# KiCad board einkPDA_keyboard.kicad_pcb (continued)
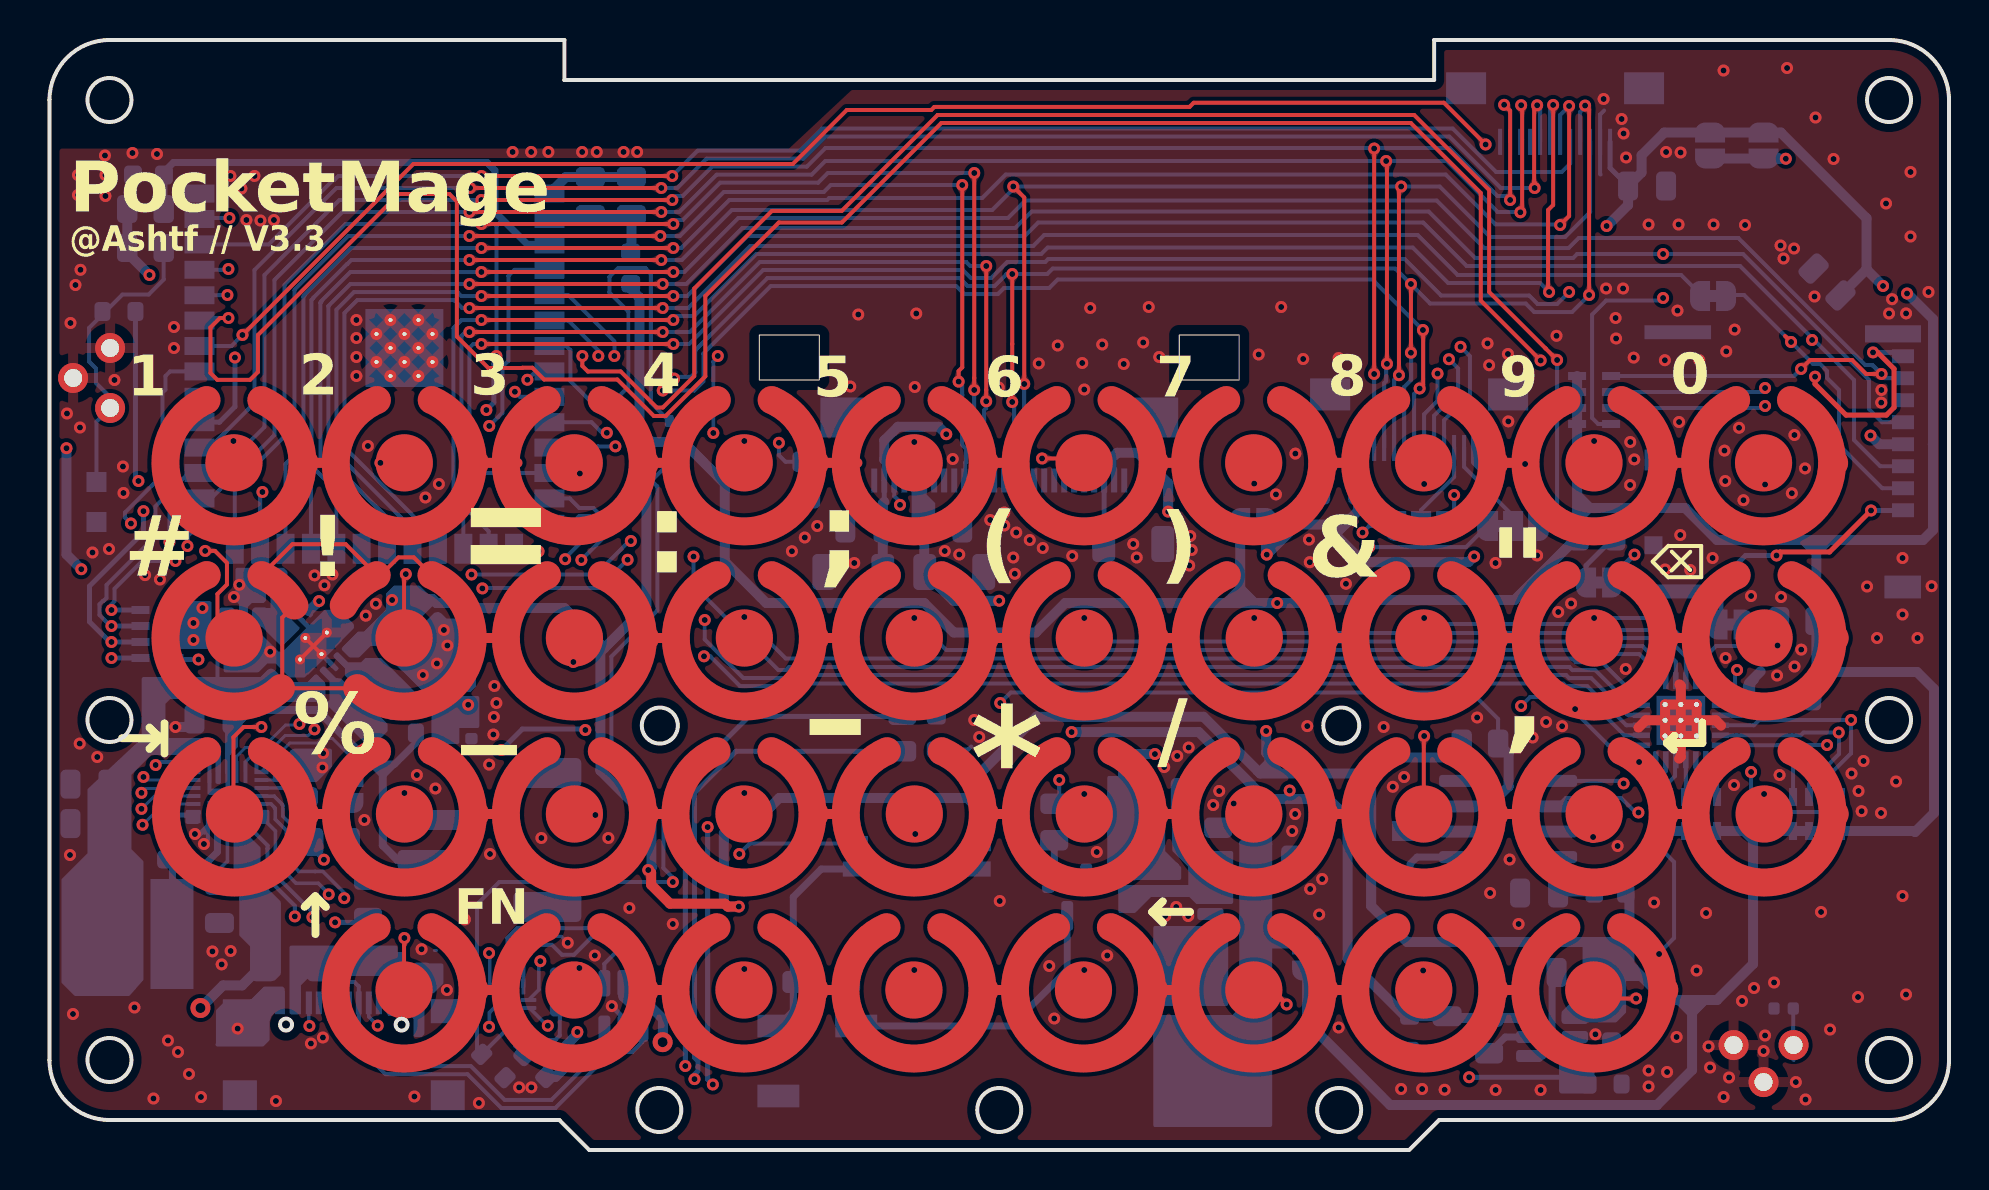
[diagram p0: board, top side]
## Footprints (pads in the part's own frame, mm; a bottom-side part is the same pattern mirrored in y, then rotated) (continued)
  rrect 1x3.5 smd: 1(-1,2.85) 3(1,2.85)
KEY-TH_3P-L4.5-W4.5-P3.0-EH
  oval 1.5x1.5 hole 0.9: 1(-1.5,0.925) 2(1.5,0.925) 3(0,-0.925)
L_0603_1608Metric
  rrect 0.875x0.95 smd: 1(-0.787,0) 2(0.787,0)
L_Chilisin_BMRx00060630
  rrect 2.35x3.5 smd: 1(-3.025,0) 2(3.025,0)
L_Ferrocore_DLG-0504
  rect 2.15x5.5 smd: 1(-1.925,0) 2(1.925,0)
L_Wurth_WE-LQSH-3012
  rect 0.85x2.8 smd: 1(-1.175,0) 2(1.175,0)
LED_0805_2012Metric
  rrect 0.975x1.4 smd: 1(-0.938,0) 2(0.938,0)
R_0603_1608Metric
  rrect 0.8x0.95 smd: 1(-0.825,0) 2(0.825,0)
R_0805_2012Metric
  rrect 1.025x1.4 smd: 1(-0.912,0) 2(0.912,0)
R_Array_Concave_4x0603
  rect 0.9x0.4 smd: 1(-0.85,1.2) 2(-0.85,0.4) 3(-0.85,-0.4) 4(-0.85,-1.2) 5(0.85,-1.2) 6(0.85,-0.4) 7(0.85,0.4) 8(0.85,1.2)
RTW24_2P45X2P45
  rect 0.85x0.28 smd: 1(-1.975,1.25) 2(-1.975,0.75) 3(-1.975,0.25) 4(-1.975,-0.25) 5(-1.975,-0.75) 6(-1.975,-1.25) 13(1.975,-1.25) 14(1.975,-0.75) 15(1.975,-0.25) 16(1.975,0.25) 17(1.975,0.75) 18(1.975,1.25)
  rect 0.28x0.85 smd: 7(-1.25,-1.975) 8(-0.75,-1.975) 9(-0.25,-1.975) 10(0.25,-1.975) 11(0.75,-1.975) 12(1.25,-1.975) 19(1.25,1.975) 20(0.75,1.975) 21(0.25,1.975) 22(-0.25,1.975) 23(-0.75,1.975) 24(-1.25,1.975)
  round 0.508 hole 0.254: 19(-0.787,-0.787) 19(-0.787,0) 19(-0.787,0.787) 19(0,-0.787) 19(0,0) 19(0,0.787) 19(0.787,-0.787) 19(0.787,0) 19(0.787,0.787)
  rect 2.45x2.45 smd: 25(0,0)
SOIC-8_3.9x4.9mm_P1.27mm
  rrect 1.95x0.6 smd: 1(-2.475,1.905) 2(-2.475,0.635) 3(-2.475,-0.635) 4(-2.475,-1.905) 5(2.475,-1.905) 6(2.475,-0.635) 7(2.475,0.635) 8(2.475,1.905)
SolderJumper-2_P1.3mm_Bridged_RoundedPad1.0x1.5mm
  custom 1x1.5 smd: 1(-0.65,0) 2(0.65,0)
SolderJumper-2_P1.3mm_Open_RoundedPad1.0x1.5mm
  custom 1x1.5 smd: 1(-0.65,0) 2(0.65,0)
SolderJumper-3_P1.3mm_Bridged12_RoundedPad1.0x1.5mm
  custom 1.05x1.5 smd: 1(-1.3,0) 3(1.3,0)
  rect 1x1.5 smd: 2(0,0)
SOT-23
  rrect 1.475x0.6 smd: 1(-0.938,0.95) 2(-0.938,-0.95) 3(0.938,0)
SOT-23-5
  rrect 1.325x0.6 smd: 1(-1.137,0.95) 2(-1.137,0) 3(-1.137,-0.95) 4(1.137,-0.95) 5(1.137,0.95)
SOT-23-6
  rrect 1.325x0.6 smd: 1(-1.137,0.95) 2(-1.137,0) 3(-1.137,-0.95) 4(1.137,-0.95) 5(1.137,0) 6(1.137,0.95)
TestPoint_Pad_1.0x1.0mm
  rect 1x1 smd: 1(0,0)
Texas_DRC0010J_ThermalVias
  rrect 0.25x0.34 smd: (-0.25,-1.53) (-0.25,1.53) (0.25,-1.53) (0.25,1.53)
  rrect 1.5x1.06 smd: (0,-0.63) (0,0.63)
  rrect 0.6x0.24 smd: 1(-1.4,1) 2(-1.4,0.5) 3(-1.4,0) 4(-1.4,-0.5) 5(-1.4,-1) 6(1.4,-1) 7(1.4,-0.5) 8(1.4,0) 9(1.4,0.5) 10(1.4,1)
  round 0.5 hole 0.2: 11(-0.575,0) 11(0,-0.95) 11(0,0.95) 11(0.575,0)
  custom 1.65x3.4 smd: 11(0,0)
TF-SMD_503398-1892
  rect 0.7x1.1 smd: 1(-2.42,6.27) 2(-1.32,6.27) 3(-0.22,6.27) 4(0.88,6.27) 5(1.98,6.27) 6(3.08,6.27) 7(4.18,6.27) 8(5.28,6.27)
  rect 0.7x3.33 smd: 9(-6.48,-4.995) 9(6.48,-4.995)
  rect 1.14x1.83 smd: 9(-6.26,6.255)
  rect 0.9x0.9 smd: 9(-4.17,-6.21)
  rect 1.05x0.78 smd: 9(0.095,-6.27)
  rect 0.86x2.8 smd: 9(6.4,5.77)
UQFN-10_1.4x1.8mm_P0.4mm
  rrect 0.975x0.2 smd: 1(-0.562,0.2)
  rrect 0.775x0.2 smd: 2(-0.662,-0.2) 6(0.662,-0.2) 7(0.662,0.2)
  rrect 0.2x0.775 smd: 3(-0.4,-0.863) 4(0,-0.863) 5(0.4,-0.863) 8(0.4,0.863) 9(0,0.863) 10(-0.4,0.863)
USB-TYPE-C-SMD_TYPE-C-16P-QTWT
  rect 0.5x1.14 smd: A1(-3.2,2.308) A4(-2.4,2.308) A9(2.4,2.308) A12(3.2,2.308)
  rect 0.3x1.14 smd: A5(-1.25,2.308) A6(-0.25,2.308) A7(0.25,2.308) A8(1.25,2.309) B5(1.75,2.308) B6(0.75,2.308) B7(-0.75,2.308) B8(-1.75,2.309)
  rect 1.7x1.5 smd: S1(-5.2,-2.309) S1(5.2,-2.309)
  rect 1.7x1.2 smd: S1(-5.2,1.891) S1(5.2,1.891)

## Nets
+3.3V: C4.2 C6.2 C18.1 C31.2 C32.2 FB1.1 FB2.2 FB3.1 JP2.2 JP7.2 JP8.2 JP9.2 R1.1 R9.1 R10.2 R11.2 R14.1 RN1.1 RN1.2 RN1.3 RN1.4 RN2.5 RN2.6 RN2.7 RN2.8 RN3.1 RN3.2 RN3.3 RN3.4 RN4.5 RN4.6 RN4.7 SW4.1 SW4.2 U3.1 U3.10 U8.1 U10.9
+12V: C11.2 C12.1 C13.1 C15.1 D2.1 J3.2 J3.25 R12.1
GND: C1.1 C2.1 C3.1 C4.1 C5.2 C6.1 C7.2 C8.2 C9.1 C10.1 C12.2 C13.2 C14.2 C15.2 C16.2 C17.2 C19.2 C20.1 C21.1 C22.1 C23.1 C24.2 C25.2 C26.1 C28.1 C29.1 C30.1 C31.1 C32.1 C33.2 J1.A1 J1.A12 J1.S1 J2.11 J3.4 J3.5 J3.6 J3.7 J3.8 J3.9 J3.13 J3.14 J3.18 J3.19 J3.20 J3.23 J4.6 J4.9 J5.12 JP6.1 Q1.2 R3.2 R4.2 R7.2 R13.2 R18.2 R19.2 R20.2 SW36.2 SW36.3 SW41.2 SW41.3 TH1.2 TP2.1 U1.1 U1.40 U1.41 U2.2 U3.3 U3.9 U3.11 U4.4 U5.19 U5.25 U6.1 U7.2 U8.2 U9.5 U9.18 U10.4
BAT+: C26.2 R6.1 U6.3 U9.12 U9.14
BAT_MEAS: C19.1 R6.2 R7.1 U1.4
BMS_INT: RN4.4 U1.33 U9.8
BOOT: R8.1 R14.2 SW36.1 TP1.1
BUSY: J2.5 U1.30
BUZZER: R15.1 U1.10
BZ_CUTOFF: BZ1.1 D3.1 SW4.3
CHRG: U1.32
col1: SW1.1 SW2.1 SW3.1 U5.9
col2: SW7.1 SW8.1 SW9.1 SW10.1 U5.10
col3: SW13.1 SW14.1 SW15.1 SW16.1 U5.11
col4: SW19.1 SW20.1 SW21.1 SW22.1 U5.12
col5: SW25.1 SW26.1 SW27.1 SW28.1 U5.13
col6: SW31.1 SW32.1 SW33.1 SW34.1 U5.14
col7: SW37.1 SW38.1 SW39.1 SW40.1 U5.15
col8: SW5.1 SW6.1 SW11.1 SW12.1 U5.16
col9: SW17.1 SW18.1 SW23.1 SW24.1 U5.17
col10: SW29.1 SW30.1 SW35.1 U5.18
CS: J2.8 U1.38
D/C: J2.7 U1.23
EN: C1.2 C33.1 R1.2 SW41.1 U1.3
ESP_D+: U1.14 U10.2
ESP_D-: U1.13 U10.6
EX_A: J5.7 U1.15
EX_B: J5.8 U1.11
EX_C: J5.9 U1.34
EX_D: JP4.3 U1.35
EX_E: JP5.3 U1.25
I2C_SCL: J2.3 J5.3 RN1.6 RN4.2 U1.28 U4.6 U5.23 U9.16
I2C_SDA: J2.2 J5.2 RN1.7 RN4.3 U1.29 U4.5 U5.22 U9.15
IC_D+: U9.21 U10.1
IC_D-: U9.20 U10.7
INT: RN1.5 U1.12 U5.24
LOAD: R19.1 U1.31 U8.3
OLED_CS: J3.17 U1.24
OLED_D/C: J3.15 U1.16
OLED_RES: J3.16 U1.26
RES: J2.6 U1.17
row1: SW1.2 SW5.2 SW7.2 SW13.2 SW17.2 SW19.2 SW25.2 SW29.2 SW31.2 SW37.2 U5.8
row2: SW2.2 SW6.2 SW8.2 SW14.2 SW18.2 SW20.2 SW26.2 SW30.2 SW32.2 SW38.2 U5.7
row3: SW3.2 SW9.2 SW11.2 SW15.2 SW21.2 SW23.2 SW27.2 SW33.2 SW35.2 SW39.2 U5.6
row4: SW10.2 SW12.2 SW16.2 SW22.2 SW24.2 SW28.2 SW34.2 SW40.2 U5.5
RTC_INT: R11.1 U1.39 U4.3
RX: JP5.1 U1.36
SD_CLK: J4.5 RN3.8 U1.20
SD_CMD: J4.3 RN3.6 U1.19
SD_CS: JP1.1 U1.18
SD_D0: J4.7 RN3.5 U1.21
SD_D1: J4.8 JP10.1 U1.5
SD_D2: J4.1 JP3.1 U1.6
SPI_MISO: J5.6 U1.9
SPI_MOSI: J2.10 J3.11 J5.4 U1.22
SPI_SCK: J2.9 J3.12 J5.5 U1.8
TX: JP4.1 U1.37
USB_5V: F1.2 U2.5 U9.2
USB_D+: U2.6 U10.3
USB_D-: U2.4 U10.5
USB_SW: D5.2 U1.7
V_LOADSWITCH: C5.1 C10.2 C16.1 C17.1 C21.2 C22.2 C24.1 J2.12 J3.21 J3.22 J4.4 J5.1 JP2.1 JP7.1 JP8.1 JP9.1 L1.1 R4.1 R5.1 U7.4 U7.5 U8.6
V_SYS: C28.2 C29.2 C30.2 L2.2 R2.2 U3.5 U9.13
Net-(BZ1--): BZ1.2 D3.2 Q1.3
Net-(C20-Pad2): C20.2 F1.1 J1.A4 J1.A9
Net-(D1-A): D1.2 R16.1
Net-(D1-K): D1.1 U9.11
Net-(D2-A): D2.2 L1.2 U7.1
Net-(D5-K): D5.1 R18.1 SW4.4 U10.10
Net-(J1-CC1): J1.A5 U9.1
Net-(J1-CC2): J1.B5 U9.22
Net-(J1-D+-PadA6): J1.A6 J1.B6 U2.1
Net-(J1-D--PadA7): J1.A7 J1.B7 U2.3
Net-(J3-Pin_3): C14.1 J3.3
Net-(J3-Pin_24): J3.24 R20.1
Net-(J4-DAT3/CD): J4.2 JP1.2 RN3.7
Net-(J5-Pin_10): J5.10 JP4.2
Net-(J5-Pin_11): J5.11 JP5.2
Net-(JP3-B): JP3.2 R10.1
Net-(JP6-B): JP6.2 U9.17
Net-(JP10-B): JP10.2 R9.2
Net-(Q1-B): Q1.1 R15.2
Net-(RN1-R1.2): RN1.8 U5.20
Net-(RN2-R1.1): RN2.1 U5.4
Net-(RN2-R2.1): RN2.2 U5.3
Net-(RN2-R3.1): RN2.3 U5.2
Net-(RN2-R4.1): RN2.4 U5.1
Net-(RN4-R1.1): RN4.1 U9.9
Net-(RN4-R1.2): C25.1 R16.2 RN4.8 U9.19
Net-(U1-3V3): C2.2 C3.2 FB1.2 U1.2
Net-(U1-IO0): R8.2 U1.27
Net-(U3-EN): C7.1 R2.1 U3.6 U3.7 U3.8
Net-(U3-L1): L3.1 U3.4
Net-(U3-L2): L3.2 U3.2
Net-(U4-OSCI): U4.1 Y1.1
Net-(U4-OSCO): U4.2 Y1.2
Net-(U4-VDD): C9.2 FB3.2 U4.8
Net-(U5-VCC): C8.1 FB2.1 U5.21
Net-(U7-FB): C11.1 R12.2 R13.1 U7.3
Net-(U8-CT): C18.2 U8.4
Net-(U8-QOD): R5.2 U8.5
Net-(U9-BST): C27.2 U9.6
Net-(U9-NTC1): R17.1 TH1.1 U9.10
Net-(U9-PMID): C23.2 U9.3
Net-(U9-SW): C27.1 L2.1 U9.4
Net-(U9-VRNTC): R17.2 U9.7
Net-(U10-~{OE}): R3.1 U10.8

Pads without a net: BZ1 3; J1 A8 B8; J2 0 1 4; J3 1 10 26; J5 0; U4 7

## Via types
v1: diameter 0.6, hole 0.3, Top to Bottom, 523 vias
v2: diameter 1, hole 0.5, Top to Bottom, 2 vias

## Routing (per net, layer and track width the routed paths; a pad name or vN(x,y) marks a point on that pad's centre or on a via; arc(x,y) is an arc through that point)
+3.3V: length 390.6
  Top w0.5: v1(34.47,12.17) 33.92,12.17 33.78,12.32 31.03,12.32 30.09,13.26 30.09,13.86 v1(29.95,14)
  In2.Cu w0.25: 13.45,27.48 v1(13.48,27.44)
  In2.Cu w0.5: v1(60.85,20.95) 61.2,21.3 61.2,27.15 v1(61.4,27.35) ; v1(0.85,35.09) 3.69,35.09 5,36.4 v1(5,43.75) ; 7.65,27.77 7.65,28.73 10.33,31.4 13.55,31.4 ; 7.65,27.77 v1(7.65,27.1) 7.25,26.7 7.24,26.7 7.24,26.39 v1(7.2,26.35) v1(7.2,25.5) ; 7.65,27.77 4.56,27.77 3.28,29.04 v1(1.59,29.04) ; v1(17.13,27.5) 17.13,28.3 17.05,28.39 17.05,29.01 17.13,29.1 17.13,30.02 15.75,31.4 13.55,31.4 ; v1(86.84,49.56) 86.85,49.58 87.9,49.58 92.9,44.58 v1(92.9,42.83) ; v1(29.95,14) 29.78,13.83 29.78,6.84 28.83,5.9 v1(26.4,5.9) ; v1(13.48,27.44) 11.92,29 11.92,31.4 13.55,31.4
  Bottom w0.2: C6.2 23.3,5.2 U10.9 ; 12.99,26.89 U3.10
  Bottom w0.25: v1(13.48,27.44) 12.93,26.89 U3.10
  Bottom w0.5: 29.56,33.69 29.56,33.24 29.85,32.95 ; 82.15,7.5 82.15,4 80.4,2.25 67.05,2.25 62.9,6.4 JP2.2 ; 82.15,7.5 83.4,7.5 85.2,9.3 85.2,15.95 ; 82.15,7.5 80.8,7.5 79.01,9.29 79.01,10.4 ; 88.4,30.5 83.4,30.5 81.8,32.1 76.4,32.1 ; 88.4,30.5 88.36,30.46 88.36,22.5 88.36,23.9 93.4,23.9 94.25,23.05 94.25,16.85 93.3,15.9 93.25,15.95 85.2,15.95 ; 88.4,30.5 93.7,30.5 94.2,31 94.2,35.3 ; 76.4,32.1 RN3.4 ; 76.4,32.1 76.4,30.62 73.28,27.5 63.9,27.5 63.75,27.35 59.53,27.35 ; 94.19,35.29 94.2,35.3 ; 94.2,35.3 94.2,41.54 92.91,42.83 92.91,42.83 v1(92.9,42.83) ; 29.85,32.95 29.85,27.2 27.75,25.1 ; 29.85,32.95 29.51,33.29 29.51,35.4 ; 79.01,10.4 79.01,12.85 ; 79.01,10.4 67.9,10.4 66.1,12.2 66.1,18.19 65.46,18.83 ; v1(5,43.75) 3.89,44.86 R14.1 R1.1 ; 30.15,14.15 30,14 v1(29.95,14) 30.1,14.15 30.1,16.42 27.55,18.97 27.55,24.9 27.75,25.1 ; 27.75,25.1 25.75,27.1 20.55,27.1 20.3,27.35 19.35,27.35 19.15,27.55 18.01,27.55 C32.2 ; 85.2,15.95 RN2.8 ; C6.2 25.35,4.75 26.4,5.8 v1(26.4,5.9) ; R11.2 69.93,19.62 66.26,19.62 65.46,18.83 ; 65.46,18.83 60.55,18.83 57.72,21.66 49.36,21.66 ; 29.1,43.04 29.5,42.64 29.5,35.8 29.51,35.79 29.51,35.4 ; 49.39,21.69 49.36,21.66 ; 49.36,21.66 46.45,18.75 46.45,17.6 ; JP8.2 86.5,49.58 86.51,49.56 v1(86.84,49.56) ; 61.01,19.19 61.01,19.7 60.85,19.86 v1(60.85,20.95) ; v1(13.48,27.44) 13.39,27.36 13.38,27.36 12.97,26.95 ; 46.45,17.6 36.5,17.6 35.9,17 34.9,17 33.72,15.83 33.72,12.37 33.92,12.17 v1(34.47,12.17) ; 46.45,17.6 SW4.2 ; v1(0.85,35.09) 0.85,29.78 v1(1.59,29.04) ; 59.53,27.35 50.8,27.35 49.33,25.88 45.22,25.88 43.75,27.35 35.85,27.35 33.78,29.42 33.78,33.33 31.7,35.4 29.51,35.4 ; 59.53,27.35 59.55,27.38 JP7.2
+12V: length 44.8
  In2.Cu w0.5: v1(55.29,19.8) 55.29,20.96 55.95,21.62 v1(55.95,31.92) 52.54,35.33 45.29,35.33 44.85,35.77 v1(44.85,35.79)
  Bottom w0.25: 41.74,34.53 41.75,34.52 J3.25 41.75,32.41 ; J3.2 53.25,34.71 53.26,34.72
  Bottom w0.3: 53.26,34.72 53.25,34.71
  Bottom w0.5: v1(55.29,19.8) 54.13,19.8 53.7,19.37 C12.1 ; v1(44.85,35.79) 44.48,36.16 42.43,36.16 41.75,35.48 41.75,34.53 41.74,34.53 ; v1(55.95,31.92) 55.95,33.34 54.43,34.86 53.4,34.86 53.26,34.72 ; C13.1 41.67,32.33 41.75,32.41
GND: length 48.4
  Top w0.2: U3.11 U3.11 ; U3.11 U3.11
  Top w0.5: 81.5,19.57 81.59,19.66 U5.19 ; 81.52,23.28 81.59,23.21 U5.19 ; U5.19 U5.19 U5.19 U5.19 ; U5.19 U5.19 U5.19 U5.19 ; U5.19 U5.19 ; 79.47,21.12 79.84,21.49 U5.19 83.33,21.49 83.6,21.22
  Bottom w0.15: 11.43,18.5 11.46,18.53 ; v1(25.92,10.36) 25.6,10.68 23.51,10.68 23.3,10.47 U10.4 ; 19.25,9.97 19.35,9.97
  Bottom w0.16: U9.18 11.43,18.5
  Bottom w0.18: 81.18,21.84 81.18,21.87 U5.19
  Bottom w0.2: 46.1,20.17 45.95,20.03 TH1.2 ; 77.57,48.77 77.55,48.8 J2.11 77.55,51.77 77.75,51.98 ; 7.76,15.86 7.76,15.99 8,16.23 U9.5 7.92,16.82 7.92,15.5 v1(7.72,15.3) ; 2.78,40.3 3.43,39.65
  Bottom w0.25: v1(7.27,15.8) 7.32,15.75 7.47,15.75 8,16.28 U9.5 ; v1(28.12,7.2) 28.7,6.62 U2.2 ; U3.11 13.2,25.9 U3.9 ; U3.3 U3.11
  Bottom w0.5: 26.79,8.05 26.17,8.05 25.5,8.72 ; 25.95,4.3 25.3,3.65 C6.1 ; C26.1 6.85,21.15 v1(6.3,21.15) ; C8.2 85,23.28 85.25,23.53 ; U1.1 25.83,48.65 C2.1 ; 85,23.35 85.58,23.93
  vias: v1(0.88,36.83) v1(1.05,41.35) v1(1.02,14.75) v1(1.17,6.8) v1(1.3,43.25) v1(1.42,48.75) v1(1.42,47.75) v1(1.55,44.01) v1(1.52,36.12) v1(1.51,20.32) v1(2.15,29.88) v1(2.39,19.65) v1(2.78,49.73) v1(2.8,48.75) v1(2.8,47.7) v1(2.98,30.05) v1(3.25,38.5) v1(3.67,34.17) v1(3.7,32.85) v1(4.15,49.85) v1(4.25,7.12) v1(4.78,28.74) v1(5.2,2.58) v1(5.38,49.8) v1(5.53,28.52) v1(5.92,5.47) v1(6.22,41.15) v1(6.22,40.1) v1(6.42,4.9) v1(6.97,3.8) v1(7.58,2.65) v1(8.15,9.93) v1(8.61,9.28) v1(9.05,48.7) v1(9.06,9.95) v1(9.22,27.65) v1(9.41,6.07) v1(9.5,28.26) v1(9.6,48.08) v1(9.85,46.5) v1(10.25,48.7) v1(10.55,46.48) v1(11.04,24.91) v1(11.22,46.5) v1(11.33,2.45) v1(13.08,5.33) v1(13.26,28.73) v1(13.69,19.84) v1(13.65,19.12) v1(13.67,5.62) v1(13.75,28.24) v1(14.15,28.77) v1(15.35,41.5) v1(15.35,40.6) v1(15.35,39.65) v1(15.35,38.7) v1(15.75,16.5) v1(15.82,26.72) v1(15.92,35.2) v1(16.33,27.31) v1(18.25,2.67) v1(18.38,18.75) v1(18.61,10.04) v1(18.67,23.75) v1(18.8,32.62) v1(19.3,18.08) v1(19.38,24.33) v1(19.47,33.3) v1(19.72,26) v1(19.9,25.22) v1(19.88,8) v1(20.78,11.53) v1(21.47,2.35) v1(21.99,19.27) v1(22.03,14.8) v1(22.22,21.65) v1(22.2,20.78) v1(22.25,23.2) v1(22.35,22.35) v1(23.16,49.9) v1(23.49,3.13) v1(24.09,49.9) v1(24.1,3.13) v1(24.6,15.6) v1(24.95,49.9) v1(26.64,49.9) v1(27.28,9.72) v1(27.37,49.9) v1(27.95,15.6) v1(28.71,49.9) v1(29,12.1) v1(29.39,49.9) v1(31.17,11.3) v1(37.13,29.94) v1(37.78,30.62) v1(38.4,31.2) v1(40.05,38.17) v1(40.25,29.35) v1(40.45,41.77) v1(43.35,41.83) v1(43.28,38.15) v1(44.78,29.95) v1(45.17,34.55) v1(45.5,29.77) v1(46.25,21.5) v1(46.5,20.65) v1(47.05,31.5) v1(47.47,38.12) v1(47.53,12.45) v1(47.75,31.88) v1(47.75,31.23) v1(48.2,29.62) v1(48.35,30.88) v1(48.28,28.81) v1(49.03,30.5) v1(49.47,39.33) v1(49.67,30.1) v1(50,9.2) v1(50.25,6.58) v1(50.42,40.23) v1(51.15,29.7) v1(51.65,39.35) v1(51.75,38.02) v1(52.05,42.1) v1(52.38,14.9) v1(52.65,40.27) v1(52.9,9.72) v1(53.72,39.3) v1(54.2,30.3) v1(54.38,29.62) v1(54.7,40.38) v1(54.97,42.15) v1(55.5,39.65) v1(55.75,19.15) v1(55.8,11.7) v1(56.35,12.15) v1(56.4,19.7) v1(57.05,30.7) v1(57,29.23) v1(56.97,20.12) v1(56.95,11.7) v1(57.12,30) v1(58.2,17.25) v1(58.5,17.95) v1(60.47,39.77) v1(61.34,32.78) v1(61.6,42.15) v1(62.15,15.95) v1(62.31,34.82) v1(62.3,16.8) v1(62.7,39.55) v1(62.91,21.2) v1(62.99,30.52) v1(63.03,29.39) v1(63.05,13.05) v1(63.5,11.78) v1(63.65,13.55) v1(64.47,39.6) v1(64.47,6.12) v1(64.84,28.31) v1(66.72,21.15) v1(67.18,18.16) v1(67.6,3.05) v1(67.75,18.65) v1(68.65,3.05) v1(69.78,3.01) v1(71.4,21.62) v1(71.92,40.33) v1(72,39.24) v1(72.05,12.85) v1(72.32,29.35) v1(72.32,3) v1(72.94,39.8) v1(72.96,36.43) v1(73.03,14.53) v1(73.47,11.3) v1(74.18,20.62) v1(74.4,29.73) v1(74.57,3) v1(74.85,21.4) v1(75.37,40.71) v1(75.46,26.9) v1(75.65,21.19) v1(76.1,27.33) v1(77.32,5.78) v1(77.72,52.55) v1(77.85,43.08) v1(78.32,41.6) v1(78.35,40.58) v1(78.43,15.2) v1(78.62,51.55) v1(78.72,50.83) v1(78.7,43.08) v1(78.85,49.62) v1(78.83,24.05) v1(79.06,35.4) v1(79.05,33.25) v1(79.23,39.62) v1(79.26,34.53) v1(79.97,46.27) v1(79.97,3.97) v1(79.97,3.17) v1(80.25,12.38) v1(80.85,49.9) v1(80.79,39.49) v1(80.8,29.02) v1(80.9,3.9) v1(81.42,41.97) v1(81.38,5.65) v1(81.47,46.27) v1(81.5,36.4) v1(81.57,49.88) v1(81.56,30.75) v1(82.06,29) v1(82.38,8.97) v1(82.51,39.49) v1(82.85,11.85) v1(82.97,5.18) v1(83.05,4.12) v1(83.22,46.27) v1(83.18,29.6) v1(83.72,53.98) v1(83.72,2.65) v1(83.77,34.97) v1(83.81,33.45) v1(83.82,24.6) v1(83.86,39.93) v1(84,3.62) v1(84.28,41.02) v1(84.25,18.25) v1(84.5,36.11) v1(84.72,32.49) v1(84.65,7.45) v1(84.8,46.25) v1(85.1,27.7) v1(85.25,8.1) v1(85.72,4.95) v1(85.8,5.72) v1(86.25,8.38) v1(86.4,23.72) v1(86.53,18.75) v1(86.57,45.23) v1(86.6,27.65) v1(86.72,44.58) v1(86.9,54.1) v1(87.14,32.84) v1(87.25,45.08) v1(87.27,35.75) v1(87.28,24.17) v1(87.34,3.4) v1(87.61,25.02) v1(87.8,34.08) v1(87.82,2.53) v1(88.32,51.62) v1(88.28,42.67) v1(88.6,11.9) v1(89.05,6.03) v1(89.22,49.55) v1(90.12,18.83) v1(90.45,7.65) v1(90.47,17.95) v1(90.63,16.94) v1(90.72,19.45) v1(90.9,28.17) v1(91.4,25.6) v1(91.62,38) v1(91.61,37.37) v1(91.6,16.85) v1(91.85,47.33) v1(92,41.83) v1(92.15,42.54) v1(92.35,18.42) v1(92.68,29.6) v1(92.68,26.77) v1(92.68,12.7) v1(92.85,7.78) v1(92.85,41.83) v1(93.07,48.9) v1(93.07,45.67) v1(93.43,25.6) v1(93.97,42.9) v1(94.13,28.19)
(no net): length 10.6
  Top w0.2: 10.6,28.74 12.15,30.29 14.81,30.29 16.36,28.74 16.68,29.06 16.88,29.06 17.45,29.63 18.22,29.63 18.79,29.06 18.96,29.06 19.11,28.91 19.11,28.75
BAT+: length 20.2
  Bottom w0.25: 9.08,20.01 8.9,19.83 U9.14
  Bottom w0.35: 16.2,19.29 17.26,19.29 18.33,20.36 R6.1
  Bottom w0.4: 9.08,21.02 10.06,22 13.4,22 16.11,19.29 16.66,19.29 16.67,19.28 16.67,15.23 17.4,14.5 U6.3
BAT_MEAS: length 25.2
  In2.Cu w0.2: v1(20.94,22.26) 21.62,22.94 21.62,26.02 22.85,27.25 22.85,35.35 v1(22,36.2)
  Bottom w0.2: 20.92,22.28 v1(20.94,22.26) ; U1.4 23.26,44.01 22.95,43.7 22.95,39.45 22.65,39.15 22.65,36.86 v1(22,36.2)
BMS_INT: length 38.3
  In2.Cu w0.15: v1(3.1,27) 1.4,27 0.58,26.18 0.58,19.92 3.44,17.06 v1(4.6,17.06)
  In2.Cu w0.2: v1(6.3,29.45) 6.05,29.45 4.17,31.33 v1(4.08,31.33)
  Bottom w0.15: v1(3.1,27) 4.9,27 ; v1(4.6,17.06) 4.61,17.06 5.26,17.7 U9.8
  Bottom w0.2: v1(4.08,31.33) 3.78,31.62 3.78,31.88 5.65,33.75 5.65,37.87 5.8,38.02 5.8,38.7 6.03,38.93 U1.33 ; v1(6.3,29.45) 4.64,29.45 3.25,28.06 3.25,27.43 3.1,27.28 v1(3.1,27)
  Bottom w0.25: v1(3.1,27) RN4.4
BOOT: length 14.7
  Bottom w0.2: R14.2 5.71,43.52 4.96,42.77 3.65,42.77 1.98,41.11 1.98,39.42 2.33,39.08 2.33,38.35 3.03,37.64 SW36.1 2.35,36.42 TP1.1
BUSY: length 84.4
  Top w0.2: v1(74.28,48.1) 74.28,48.38 74.25,48.4 74.25,52.09 v1(74.4,52.24) ; v1(30.6,48.1) v1(21.03,48.1)
  Bottom w0.2: v1(21.03,48.1) 14.35,48.1 10.25,44 10.25,37.35 8.02,35.12 U1.30 ; v1(74.4,52.24) 74.55,52.09 J2.5 ; 74.4,48.1 72.58,48.1 70.01,50.67 38.82,50.67 37.71,49.57 32.87,49.57 31.4,48.1 v1(30.6,48.1)
BUZZER: length 62.2
  In2.Cu w0.2: v1(50.5,18.5) 50.5,11.25 46.75,7.5 35.45,7.5 34.1,8.85 34.1,9.4 35.82,11.12 35.82,15.78 34.1,17.5 34.1,31.4 29.64,35.86 v1(27.88,35.86)
  Bottom w0.2: v1(50.5,18.5) 50.5,17.56 R15.1 ; v1(27.88,35.86) 27.64,35.86 27.11,36.39 U1.10
BZ_CUTOFF: length 10.4
  Bottom w0.35: BZ1.1 37.2,6.95 D3.1 37.2,12.65 38.6,14.05 SW4.3
col1: length 127
  Top w0.2: SW1.1 9.23,35.42 v1(9.2,35.45) ; SW2.1 8.4,26.43 8.4,27.8 8.88,28.27 8.88,29.35 8.28,29.95 v1(7.79,29.95) ; v1(10.6,21.15) 9.71,21.15 9.2,20.64 9.2,17.9 9.25,17.85 SW3.1
  In2.Cu w0.2: v1(32.73,24.69) 32,25.42 32,27.72 30.2,29.51 v1(28.91,29.51) ; v1(21.65,28.08) 21.65,28.12 21.71,28.18 21.71,32.34 18.06,35.99 9.74,35.99 v1(9.2,35.45) 10.38,35.45 11.53,34.3 11.53,32.3 11.18,31.95 10.1,31.95 8.11,29.97 7.8,29.97 v1(7.79,29.95) 7.78,29.95 6.68,28.85 6.05,28.85 5.73,29.17 5.72,29.17 4.24,30.65 1.67,30.65 0.62,29.6 0.62,28.25 1.24,27.63 3.61,27.63 3.82,27.42 3.82,26.95 9.62,21.15 v1(10.6,21.15)
  Bottom w0.2: U5.9 78.86,21.24 76.91,23.19 75.84,23.19 75.71,23.33 37.29,23.33 37.17,23.2 34.53,23.2 33.05,24.69 v1(32.73,24.69) ; v1(28.91,29.51) 27.5,28.1 21.67,28.1 v1(21.65,28.08)
col2: length 99.8
  Top w0.2: v1(17.82,28.8) 17.83,28.79 17.83,28.73 17.73,28.63 SW8.1 ; v1(16.55,34.36) SW7.1 ; v1(17.75,10.6) 17.75,10.25 17.73,10.23 SW10.1
  In2.Cu w0.2: v1(16.55,34.36) 17.75,33.16 17.75,23.79 18.8,22.74 18.8,22.46 17.75,21.41 v1(17.75,17.85) v1(17.75,10.6) ; 17.75,28.7 20.96,28.7 21.03,28.77 v1(21.11,28.77) ; v1(29.08,30.45) 29.83,30.45 32.6,27.68 32.6,26.67 v1(32.77,26.5)
  Bottom w0.2: v1(32.77,26.5) 32.77,25.53 34.7,23.6 37,23.6 37.15,23.75 75.85,23.75 76,23.59 77.11,23.59 78.89,21.81 78.89,21.8 78.9,21.8 78.96,21.74 U5.10 ; 21.18,28.7 21.11,28.77 v1(21.11,28.77) 27.32,28.77 29,30.45 v1(29.08,30.45)
col3: length 88.5
  Top w0.2: SW13.1 26.26,34.34 26.26,34.09 v1(26.53,33.83) ; SW16.1 26.23,8.83 v1(26.5,9.1)
  In2.Cu w0.2: v1(26.5,9.1) 26.78,9.38 26.67,9.48 26.67,9.97 26.98,10.28 26.98,16.43 v1(27.3,16.75) 26.2,17.85 v1(26.2,24.4) ; v1(32.21,29.67) 32.21,30.74 28.85,34.1 26.8,34.1 v1(26.53,33.83) 26.53,31.02 27.01,30.54 27.03,30.54 27.6,29.97 27.6,28.59 26.2,27.19 v1(26.2,24.4) ; v1(26.2,24.4) 26.3,24.5 26.3,24.4
  Bottom w0.2: v1(32.21,29.67) 32.21,28.24 36.45,24 36.83,24 36.98,24.15 76.01,24.15 76.17,23.99 77.31,23.99 78.89,22.41 78.89,22.38 78.97,22.3 79,22.3 79.06,22.24 U5.11
col4: length 75.5
  Top w0.2: SW19.1 34.75,35.45 v1(34.75,35.45)
  In2.Cu w0.2: v1(34.75,9.05) 36.59,10.89 36.59,16.01 v1(34.75,17.85) v1(34.75,26.65) v1(34.75,35.45)
  Bottom w0.2: v1(34.75,26.65) 36.83,24.58 76.16,24.58 76.34,24.39 77.63,24.39 79.29,22.74 U5.12
col5: length 69.4
  Top w0.2: v1(43.25,35.4) 43.25,35.4 SW25.1
  In2.Cu w0.2: v1(43.25,35.4) v1(43.25,26.6) 42.4,26.6 40.55,24.75 40.55,17.75 42.5,15.8 v1(43.3,15.8) 43.25,15.75 v1(43.25,9)
  Bottom w0.2: v1(43.25,26.6) 44.85,25 76.3,25 76.5,24.8 79.5,24.8 80.34,23.96 U5.13
col6: length 60.5
  Top w0.2: SW31.1 51.39,34.71 51.39,34.58 v1(49.64,34.58)
  In2.Cu w0.2: v1(49.64,34.58) 51.19,34.58 51.75,34.01 v1(51.75,26.6) v1(51.75,17.8) v1(51.75,9)
  Bottom w0.2: U5.14 80.84,24.03 79.67,25.2 76.67,25.2 76.44,25.42 52.92,25.42 v1(51.75,26.6)
col7: length 53.6
  Top w0.2: v1(60.25,33.32) 60.25,34.33 SW37.1
  Top w0.25: SW40.1 61.15,8 v1(61.88,7.28)
  In2.Cu w0.2: v1(61.88,7.28) 61.88,8.92 60.25,10.55 60.25,16.3 v1(59.22,17.33) 59.42,17.33 60.25,18.15 v1(60.25,26.6) v1(60.25,33.32)
  Bottom w0.2: v1(60.25,26.6) 61,25.85 76.58,25.85 76.83,25.6 80.15,25.6 81.34,24.41 U5.15
col8: length 47.2
  Top w0.2: SW11.1 68.73,20.68 v1(68.75,20.7) ; v1(68.75,33.3) 68.73,33.32 SW5.1
  In2.Cu w0.2: v1(68.75,33.3) v1(68.75,26.6) v1(68.75,20.7) 65.85,17.8 65.85,11.08 67.95,8.97 v1(68.7,8.97)
  Bottom w0.2: v1(68.75,26.6) 69.05,26.3 76.7,26.3 77,26 80.5,26 81.84,24.66 U5.16
col9: length 39.6
  Top w0.2: SW17.1 77.25,35.45 v1(77.25,35.45) ; SW24.1 77.66,7.58 v1(79.35,7.58)
  In2.Cu w0.2: v1(79.35,7.58) 79.32,7.6 78.93,7.6 77.25,9.28 77.25,15.5 77.2,15.55 v1(77.2,15.65) 77.2,17.85 77.25,17.9 v1(77.25,26.6) v1(77.25,35.45)
  Bottom w0.2: v1(77.25,26.6) 80.65,26.6 82.34,24.91 U5.17
col10: length 21.1
  In2.Cu w0.2: v1(85.8,33.27) 85.75,33.23 85.75,25.9 v1(86.43,25.22) 86.32,25.22 85.75,24.65 v1(85.75,17.8)
  Bottom w0.2: U5.18 82.84,24.69 83.35,25.2 85.2,25.2 85.23,25.22 v1(86.43,25.22)
CS: length 73.1
  Top w0.2: v1(21.6,48.7) v1(31.15,48.7)
  Bottom w0.2: v1(31.15,48.7) 32.42,49.97 37.54,49.97 38.65,51.08 70.18,51.08 72.35,48.9 75.62,48.9 76.05,49.33 J2.8 ; v1(21.6,48.7) 21.28,48.7 20.79,48.7 20.78,48.7 14.45,48.7 14.25,48.5 14.18,48.5 10.96,45.28 U1.38
D/C: length 87.9
  Top w0.2: v1(75.55,46.25) 76,46.7 v1(76,52.2) ; v1(21.6,45.1) v1(31.2,45.1)
  Bottom w0.2: J2.7 75.55,51.75 v1(76,52.2) ; 19.4,45.1 21.53,45.1 21.53,45.1 v1(21.6,45.1) ; 19.4,45.1 19.15,45.1 19.15,45.1 15.1,45.1 12.75,42.75 12.75,42.72 12.7,42.67 12.7,34.04 12.75,33.99 12.75,33.95 13.08,33.63 U1.23 ; 19.4,45.1 19.65,45.1 19.65,45.1 19.93,45.1 ; v1(75.55,46.25) 75.52,46.28 72.32,46.28 69.82,48.77 47.83,48.77 46.65,47.6 38.99,47.6 38.89,47.5 34,47.5 31.6,45.1 v1(31.2,45.1)
EN: length 148.8
  Top w0.2: 21.85,37.02 v1(21.85,37)
  In2.Cu w0.2: 87.22,5.38 86.05,6.55 83.5,6.55 81.78,4.83 33.95,4.83 30.58,8.2 30.58,14.7 30.22,15.05 28.72,15.05 28.33,14.65 28.33,8.58 27.47,7.72 26.1,7.72 25.32,8.51 25.32,26.87 27.2,28.76 27.2,29.8 26.86,30.14 25.54,30.14 24.43,29.02 23.92,29.02 23.42,29.52 23.42,35.62 22.05,37 v1(21.85,37)
  Bottom w0.2: 22.67,46.52 22.35,46.2 v1(22.35,39.7) ; C33.1 87.21,5.26 ; 87.21,4.51 87.22,4.5
  Bottom w0.25: v1(21.85,37) 22.22,37.37 22.22,39.33 22.35,39.45 v1(22.35,39.7)
  Bottom w0.35: R1.2 5.72,47.06 5.72,48.75 ; U1.3 23.9,45.28 22.28,46.9 22.28,48.98 21.88,49.38 6.2,49.38 5.67,48.85
ESP_D+: length 29
  In2.Cu w0.2: v1(25.79,29.54) 25.84,29.54 25.85,29.55 23.2,26.9 23.2,11 22.05,9.85 v1(21.98,9.85)
  Bottom w0.18: U10.2 22.03,8.11 22.03,9.81 v1(21.98,9.85)
  Bottom w0.2: v1(25.79,29.54) 25.79,29.59 27.2,31 27.2,31.5 27,31.7 26.5,31.7 26.11,31.31 U1.14
ESP_D-: length 29.4
  In2.Cu w0.2: v1(26.6,29.5) 23.8,26.7 23.8,11 24.49,10.31 24.53,10.31 24.53,9.46 v1(24.55,9.44)
  Bottom w0.18: U10.6 24.47,8.01 24.47,9.37 24.55,9.44 v1(24.55,9.44)
  Bottom w0.2: v1(26.6,29.5) 27.7,30.6 27.7,31.6 27.2,32.1 26.5,32.1 26.02,32.58 U1.13
EX_A: length 122.5
  In2.Cu w0.2: v1(24.46,29.93) 24.62,30.09 24.62,33.76 25.55,34.69 27.94,34.69 28.05,34.58 29.97,34.58 33.32,31.23 33.32,28.1 33.37,28.05 33.37,17.1 35.1,15.37 35.1,11.46 33.43,9.79 33.43,7.97 35.62,5.78 52,5.78 53.95,7.73 53.95,15.36 57.93,19.34 57.93,34.05 58.71,34.83 61.11,34.83 62.23,33.71 62.23,29.19 64.27,27.15 67.05,27.15 68.03,28.13 68.03,35.46 69.42,36.85 v1(69.42,38.82)
  Bottom w0.2: J5.7 68.75,36.79 69.42,37.46 v1(69.42,38.82) ; v1(24.46,29.93) 24.33,30.06 U1.15
EX_B: length 73.2
  In2.Cu w0.2: v1(69.99,39.54) 68.76,39.54 68.45,39.23 67.85,39.23 67.17,39.91 65.93,39.91 65.16,39.14 65.16,36.73 67.49,34.4 67.49,29.72 66.83,29.06 64.38,29.06 63.63,29.81 63.63,34.98 62.68,35.93 46.37,35.93 45.73,36.57 27.59,36.57 27.28,36.25 27.28,35.2 27.3,35.18 v1(28.3,35.18)
  Bottom w0.2: J5.8 69.25,36.72 70.45,37.92 70.45,39.08 v1(69.99,39.54) ; v1(28.3,35.18) 27.42,35.18 27.36,35.12 U1.11
EX_C: length 87.9
  Top w0.2: v1(71.82,50.27) 71.82,50.28 69.74,52.36 57.23,52.36 57.01,52.15 44.27,52.15 44.27,52.15 44.25,52.15 44.1,52 39.88,52 37.18,49.3 18.2,49.3 v1(9.65,40.75)
  In2.Cu w0.2: v1(70.57,40.16) 69.32,41.41 69.32,48.17 71.42,50.27 v1(71.82,50.27)
  Bottom w0.2: v1(9.65,40.75) 9.1,40.2 U1.34 ; v1(70.57,40.16) 71.04,39.69 71.04,37.78 69.75,36.49 J5.9
EX_D: length 111.7
  Top w0.2: v1(74.58,39.47) 71.58,42.47 71.58,47.85 68.08,51.35 44.6,51.35 39.63,46.38 36.47,46.38 32.8,42.7 32.8,38.68 30.82,36.7 30.22,36.7 28.4,38.52 24.74,38.52 24.15,39.11 23.65,39.11 23.64,39.1 21.95,39.1 20.38,40.67 20.38,47.42 20,47.8 17.47,47.8 10.42,40.75 10.42,38.9 10.03,38.51 8.39,38.51 8.05,38.85 8.05,41.12 8.53,41.6 v1(8.95,41.6)
  In2.Cu w0.2: v1(74.58,39.47) 74.58,37.08 v1(70.25,32.75)
  Bottom w0.2: U1.35 7.63,41.6 v1(8.95,41.6) ; v1(70.25,32.75) 70.25,31.55 JP4.3
EX_E: length 122.9
  Top w0.2: v1(75.4,39.5) 75.18,39.72 75.18,39.72 74.83,40.08 74.82,40.08 72,42.9 72,48 68.25,51.75 44.44,51.75 44.43,51.75 44.42,51.75 39.62,46.95 36.13,46.95 32.25,43.07 32.25,38.7 30.67,37.12 30.37,37.12 28.57,38.93 26.92,38.93 26.65,39.2 v1(26.65,39.7)
  In2.Cu w0.2: v1(26.65,39.7) 23.2,39.7 22.6,39.1 21.95,39.1 20.4,40.65 20.4,47.4 20.45,47.45 19.7,48.2 12.83,48.2 12.83,47.25 11.45,45.87 9.92,45.87 5.55,41.5 5.55,35.98 8.63,32.9 v1(10.65,32.9)
  Bottom w0.2: v1(10.65,32.9) 10.53,32.78 U1.25 ; JP5.3 74.7,31.2 75.4,31.9 v1(75.4,39.5)
I2C_SCL: length 202.4
  Top w0.2: v1(66.85,49.45) 66.89,49.41 v1(66.89,39.31) ; v1(73.56,46.89) 73.65,46.97 73.65,52.19 v1(73.6,52.24) ; v1(21,46.9) v1(30.6,46.9)
  In2.Cu w0.15: v1(13.25,21.03) 12.61,20.39 12.57,20.39 12.31,20.13 8.22,20.13 3.68,24.67 3.68,24.84 3.34,25.18 3.1,25.18 v1(3.1,25.4)
  In2.Cu w0.2: v1(73.56,46.89) 87.36,46.89 89.3,44.95 89.3,22.53 89.3,22.53 89.5,22.33 89.5,20.89 v1(89.49,20.87) 89.6,20.76 89.6,20.1 86.35,16.85 79.49,16.85 v1(79.47,16.88)
  In2.Cu w0.25: v1(4.7,31.94) 4.86,31.94 6,30.8 v1(6,30.4)
  Bottom w0.15: v1(13.25,21.03) 12.95,20.72 11.79,20.72 10.84,19.78 10.17,19.78 9.8,19.41 U9.16 ; v1(3.1,25.4) 4.9,25.4
  Bottom w0.2: v1(21,46.9) 14.65,46.9 11.25,43.5 11.25,35.75 8.08,32.58 U1.28 6.55,32.58 6,32.03 v1(6,30.4) ; v1(73.6,52.24) 73.65,52.19 73.65,50.51 J2.3 ; v1(89.49,20.87) 87.73,20.87 87.59,20.74 U5.23 ; v1(89.49,20.87) 89.39,20.97 ; v1(89.49,20.87) 89.5,20.86 89.5,19.8 88,18.3 RN1.6 ; U4.6 75.84,17.6 78.6,17.6 79.32,16.88 v1(79.47,16.88) ; J5.3 66.75,38.35 66.85,38.45 66.85,39.27 v1(66.89,39.31) ; v1(73.56,46.89) 73.55,46.9 72.43,46.9 69.88,49.45 38.8,49.45 38.12,48.77 33.37,48.77 31.5,46.9 v1(30.6,46.9)
  Bottom w0.25: RN4.2 v1(3.1,25.4) 3.01,25.4 2,26.41 2,28.19 4.7,30.89 v1(4.7,31.94)
I2C_SDA: length 203.2
  Top w0.2: v1(73.05,47.5) 73.05,51.96 v1(72.75,52.26) ; v1(21.6,47.5) v1(31.15,47.5) ; v1(66.25,50.07) 66.25,38.8 v1(66.25,38.8)
  In2.Cu w0.15: v1(3.1,26.2) 3.8,26.2 5.6,24.4 5.6,23.3 8.42,20.48 10.78,20.48 11.55,21.25 12.45,21.25 v1(12.5,21.3)
  In2.Cu w0.2: v1(78.72,18.33) 78.72,16.59 79.18,16.14 86.21,16.14 90.1,20.03 v1(90.1,21.5) 89.9,21.5 89.9,22.5 89.72,22.67 89.72,45.27 87.5,47.5 v1(73.05,47.5)
  Bottom w0.15: v1(12.5,21.3) 12.45,21.25 11.81,21.25 10.69,20.13 9.81,20.13 9.35,19.67 U9.15 ; v1(3.1,26.2) 4.9,26.2
  Bottom w0.2: U5.22 85.24,21.24 85.5,21.5 v1(90.1,21.5) ; v1(66.25,38.8) 66.25,38.8 J5.2 ; v1(90.1,21.5) 90.1,19.83 88.8,18.53 RN1.7 ; v1(90.1,21.5) 90.07,21.47 ; v1(78.72,18.33) 78.59,18.45 U4.5 ; J2.2 73.05,51.96 v1(72.75,52.26) ; v1(31.15,47.5) 31.35,47.7 31.67,47.7 33.13,49.17 37.88,49.17 38.81,50.1 70.02,50.1 72.42,47.7 72.85,47.7 v1(73.05,47.5) ; v1(21.6,47.5) 14.5,47.5 10.75,43.75 10.75,36.15 8.45,33.85 U1.29 6.97,33.85 5.3,32.18 5.3,30.7 2.85,28.25 2.85,27.6 2.71,27.46 2.67,27.46 2.5,27.28 2.5,26.75 3.05,26.2 v1(3.1,26.2)
  Bottom w0.25: 3.1,26.37 v1(3.1,26.2) RN4.3
IC_D+: length 22.4
  In2.Cu w0.18: v1(13.97,12.78) 13.97,12.53 17.9,8.6 23.05,8.6 23.3,8.35 23.3,7.5 23.28,7.47 23.28,7.45 21.99,6.16 v1(21.98,6.16)
  Bottom w0.18: v1(21.98,6.16) 22,6.18 22,6.87 22.23,7.1 U10.1 ; v1(13.97,12.78) 13.97,12.82 13.44,13.34 12.33,13.34 11.85,13.82 11.85,15.97 11.29,16.53 11.29,17.06 11.26,17.1 11.26,17.13 11.08,17.31 10.6,17.31
IC_D-: length 22.8
  In2.Cu w0.18: v1(14.74,12.59) 14.74,12.46 18.2,9 23.19,9 23.7,8.49 23.7,7.47 24.92,6.25 v1(24.92,6.21) 24.88,6.25 24.86,6.25
  Bottom w0.18: v1(14.74,12.59) 14.74,12.86 13.67,13.93 13.28,13.93 13.28,13.93 12.47,13.93 12.25,14.15 12.25,16.08 12.23,16.09 12.23,16.13 11.67,16.69 11.67,17.22 11.64,17.25 11.64,17.28 11.24,17.68 11.24,17.69 10.63,17.69 10.62,17.7 U9.20 ; U10.7 24.01,7.1 24.86,6.25 24.88,6.25 v1(24.92,6.21)
